# Allegro board A527_draft_V1_0.brd (continued)
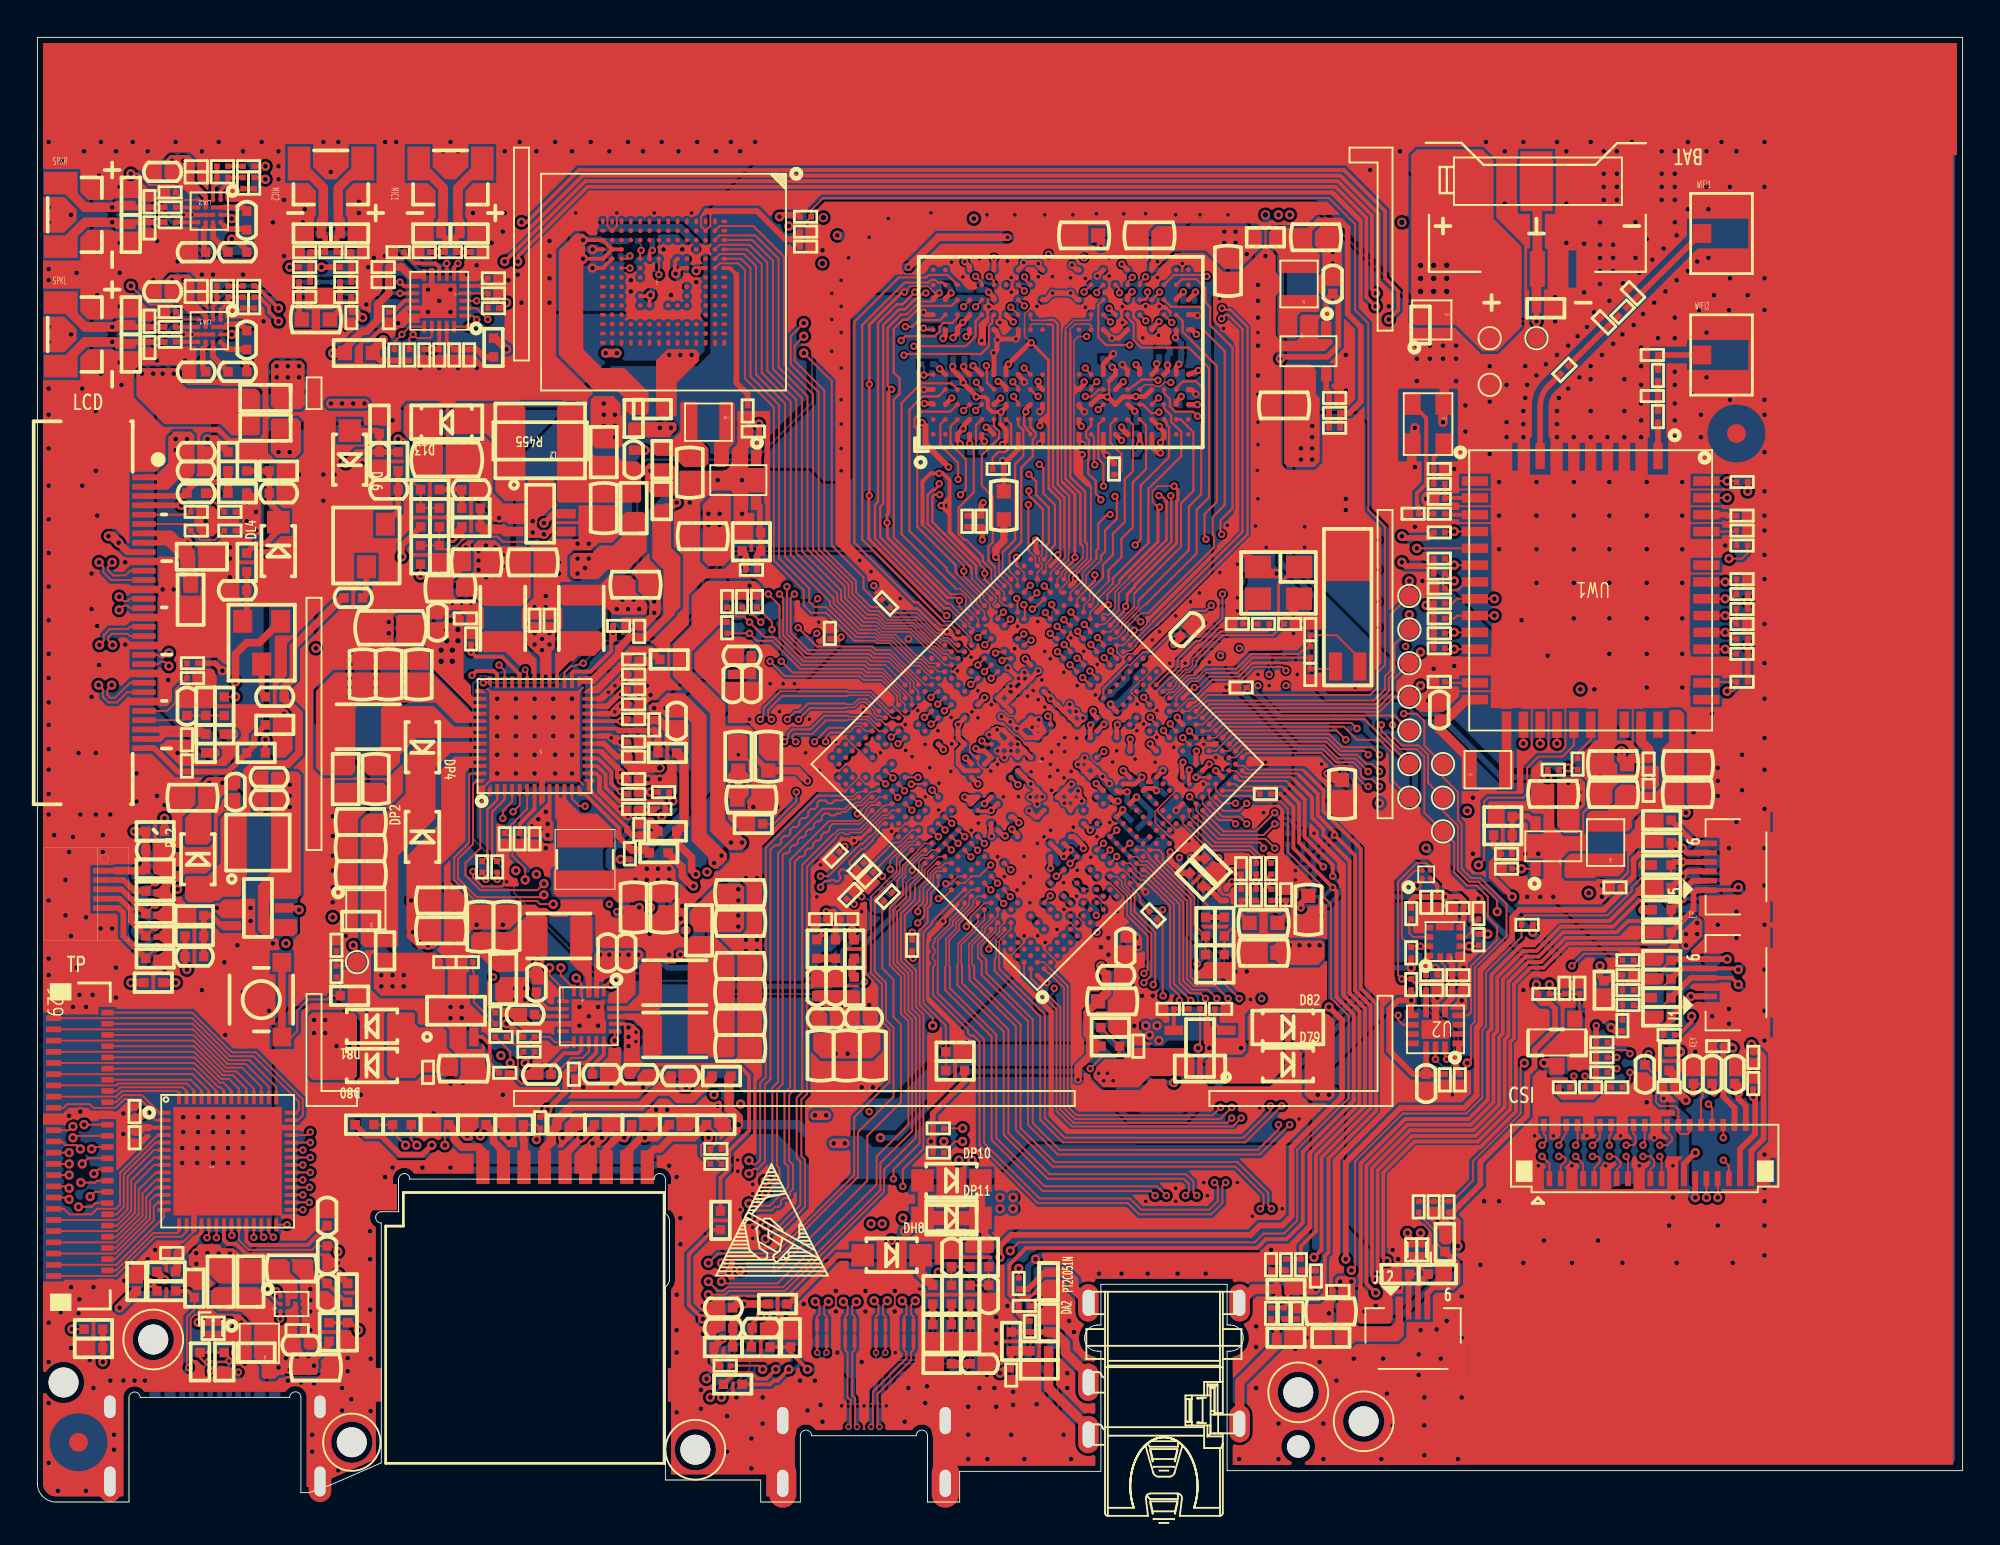
[diagram p0: board, top side]
## Footprints (pads in the part's own frame, mm; a bottom-side part is the same pattern mirrored in y, then rotated) (continued)
C0201
  rect 0.3x0.3 smd: 1(-0.3,0) 2(0.3,0)
C0402
  rect 0.5x0.5 smd: 1(0,0) 2(1,0)
C0603
  rect 0.76x0.76 smd: 1(-0.75,0) 2(0.75,0)
C0805
  rect 1.27x1.27 smd: 1(0,0) 2(2,0)
CA0103021-R
  rect 0.6x0.9 smd: 1(-3.05,0) 5(3.05,0)
  rect 1.5x0.9 smd: 2(-1.65,0) 4(1.65,0)
  rect 1.2x0.9 smd: 3(0,0)
DFN3P130B200_200H65
  rect 0.4x0.5 smd: 1(0.65,0.75) 2(-0.65,0.75)
  rect 1.6x1.35 smd: 3(0,-0.425)
DSX321G
  rect 1.4x1.2 smd: 1(0,0) 2(2.2,0) 3(2.2,1.7) 4(0,1.7)
ESD0402
  rect 0.5x0.5 smd: 1(0,0) 2(1,0)
FCQFN12P40B130_180H55
  round 0.25 smd: A1(-0.6,0.4) A2(-0.2,0.4) A3(0.2,0.4) A4(0.6,0.4) B1(-0.6,0) B2(-0.2,0) B3(0.2,0) B4(0.6,0) C1(-0.6,-0.4) C2(-0.2,-0.4) C3(0.2,-0.4) C4(0.6,-0.4)
FCQFN16P40B200_200H75
  round 0.25 smd: A1(-0.6,-0.6) A2(-0.2,-0.6) A3(0.2,-0.6) A4(0.6,-0.6) B1(-0.6,-0.2) B2(-0.2,-0.2) B3(0.2,-0.2) B4(0.6,-0.2) C1(-0.6,0.2) C2(-0.2,0.2) C3(0.2,0.2) C4(0.6,0.2) D1(-0.6,0.6) D2(-0.2,0.6) D3(0.2,0.6) D4(0.6,0.6)
FIDICALMARK
  round 1 smd: 1(0,0)
FPC5_5-1_25-7_4X11_4H1_85FR_G
  rect 0.8x1.9 smd: 1(2.5,2.8) 2(1.25,2.8) 3(0,2.8) 4(-1.25,2.8) 5(-2.5,2.8)
  rect 1.7x3.2 smd: 6(-5.45,-1.9) 7(5.45,-1.9)
FPC6-0_3-2_5X4_5H1_0L
  rect 0.3x1.1 smd: 1(-1.24,1.4) 2(-0.74,1.4) 3(-0.24,1.4) 4(0.26,1.4) 5(0.76,1.4) 6(1.26,1.4)
  rect 0.8x1.5 smd: 7(-2.4,-1.25) 8(2.4,-1.25)
FPC0310-39B2-GXX-L
  rect 0.3x0.8 smd: 1(0,0) 3(0.6,0) 5(1.2,0) 7(1.8,0) 9(2.4,0) 11(3,0) 13(3.6,0) 15(4.2,0) 17(4.8,0) 19(5.4,0) 21(6,0) 23(6.6,0) 25(7.2,0) 27(7.8,0) 29(8.4,0) 31(9,0) 33(9.6,0) 35(10.2,0) 37(10.8,0) 39(11.4,0)
  rect 0.3x0.65 smd: 2(0.3,2.875) 4(0.9,2.875) 6(1.5,2.875) 8(2.1,2.875) 10(2.7,2.875) 12(3.3,2.875) 14(3.9,2.875) 16(4.5,2.875) 18(5.1,2.875) 20(5.7,2.875) 22(6.3,2.875) 24(6.9,2.875) 26(7.5,2.875) 28(8.1,2.875) 30(8.7,2.875) 32(9.3,2.875) 34(9.9,2.875) 36(10.5,2.875) 38(11.1,2.875)
  rect 0.85x1.15 smd: 40(-0.779,0.4) 41(12.179,0.4)
FPC-6S-P05-H10-A
  rect 0.3x0.8 smd: 1(1.25,0) 2(0.75,0) 3(0.25,0) 4(-0.25,0) 5(-0.75,0) 6(-1.25,0)
  rect 1x1 smd: 7(-2.25,2.5) 8(2.25,2.5)
FPC-51D-P03-H15
  rect 0.3x0.8 smd: 1(0,0) 3(0.6,0) 5(1.2,0) 7(1.8,0) 9(2.4,0) 11(3,0) 13(3.6,0) 15(4.2,0) 17(4.8,0) 19(5.4,0) 21(6,0) 23(6.6,0) 25(7.2,0) 27(7.8,0) 29(8.4,0) 31(9,0) 33(9.6,0) 35(10.2,0) 37(10.8,0) 39(11.4,0) 41(12,0) 43(12.6,0) 45(13.2,0) 47(13.8,0) 49(14.4,0) 51(15,0)
  rect 0.3x0.65 smd: 2(0.3,2.875) 4(0.9,2.875) 6(1.5,2.875) 8(2.1,2.875) 10(2.7,2.875) 12(3.3,2.875) 14(3.9,2.875) 16(4.5,2.875) 18(5.1,2.875) 20(5.7,2.875) 22(6.3,2.875) 24(6.9,2.875) 26(7.5,2.875) 28(8.1,2.875) 30(8.7,2.875) 32(9.3,2.875) 34(9.9,2.875) 36(10.5,2.875) 38(11.1,2.875) 40(11.7,2.875) 42(12.3,2.875) 44(12.9,2.875) 46(13.5,2.875) 48(14.1,2.875) 50(14.7,2.875)
  rect 0.3x1.15 smd: 52(15.65,0.375) 53(-0.65,0.375)
HDMI_TYPE_D_CB10
  rect 0.23x1.05 smd: 1(1.8,4.95) 3(1.4,4.95) 5(1,4.95) 7(0.6,4.95) 9(0.2,4.95) 11(-0.2,4.95) 13(-0.6,4.95) 15(-1,4.95) 17(-1.4,4.95) 19(-1.8,4.95)
  rect 0.23x0.85 smd: 2(1.6,3.625) 4(1.2,3.625) 6(0.8,3.625) 8(0.4,3.625) 10(0,3.625) 12(-0.4,3.625) 14(-0.8,3.625) 16(-1.2,3.625) 18(-1.6,3.625)
  oval 1.45x2.6 hole 0.6x1.45: 20(-4.35,3.36) 21(4.35,3.36) 22(-4.35,0) 23(4.35,0)
KEY_3X3
  rect 1x1 smd: 1(-2,1.1) 2(2,1.1) 3(2,-1.1) 4(-2,-1.1)
L0402
  rect 0.5x0.5 smd: 1(-0.5,0) 2(0.5,0)
L_CHOKE_SMD_DLP0NS0806
  rect 0.38x0.3 smd: 1(-0.315,-0.25) 2(0.315,-0.25) 3(0.315,0.25) 4(-0.315,0.25)
LED0603
  rect 0.76x0.76 smd: 1(0,0) 2(1.5,0)
LGA12P50B200_200H100
  rect 0.3x0.35 smd: 1(-0.75,0.8) 4(-0.75,-0.8) 5(-0.25,-0.8) 6(0.25,-0.8) 7(0.75,-0.8) 10(0.75,0.8) 11(0.25,0.8) 12(-0.25,0.8)
  rect 0.35x0.3 smd: 2(-0.8,0.25) 3(-0.8,-0.25) 8(0.8,-0.25) 9(0.8,0.25)
LGA14P50B250_300H81
  rect 0.7x0.3 smd: 1(-1.25,0.75) 2(-1.25,0.25) 3(-1.25,-0.25) 4(-1.25,-0.75) 8(1.25,-0.75) 9(1.25,-0.25) 10(1.25,0.25) 11(1.25,0.75)
  rect 0.3x0.7 smd: 5(-0.5,-1) 6(0,-1) 7(0.5,-1) 12(0.5,1) 13(0,1) 14(-0.5,1)
LP200_250H100
  rect 0.8x2 smd: 1(-1,0) 2(1,0)
LP200_250H120
  rect 1x2 smd: 1(-1.2,0) 2(1.2,0)
MS2V
  rect 1.5x0.7 smd: 1(0,0) 2(0,1.3)
  rect 2.5x2 smd: 3(5.9,0.65)
QFN20P40B300_300H75
  rect 0.63x0.2 smd: 1(-1.385,0.8) 2(-1.385,0.4) 3(-1.385,0) 4(-1.385,-0.4) 5(-1.385,-0.8) 11(1.385,-0.8) 12(1.385,-0.4) 13(1.385,0) 14(1.385,0.4) 15(1.385,0.8)
  rect 0.2x0.63 smd: 6(-0.8,-1.385) 7(-0.4,-1.385) 8(0,-1.385) 9(0.4,-1.385) 10(0.8,-1.385) 16(0.8,1.385) 17(0.4,1.385) 18(0,1.385) 19(-0.4,1.385) 20(-0.8,1.385)
  rect 1.65x1.65 smd: 21(0,0)
QFN50P90B1300_1500H150
  rect 0.5x1.4 smd: 1(-4.5,-7.19) 2(-3.6,-7.19) 3(-2.7,-7.19) 4(-1.8,-7.19) 5(-0.9,-7.19) 6(0,-7.19) 7(0.9,-7.19) 8(1.8,-7.19) 9(2.7,-7.19) 10(3.6,-7.19) 11(4.5,-7.19) 26(4.5,7.19) 27(3.6,7.19) 28(2.7,7.19) 29(1.8,7.19) 30(0.9,7.19) 31(0,7.19) 32(-0.9,7.19) 33(-1.8,7.19) 34(-2.7,7.19) 35(-3.6,7.19) 36(-4.5,7.19)
  rect 1.4x0.5 smd: 12(6.19,-5.85) 13(6.19,-4.95) 14(6.19,-4.05) 15(6.19,-3.15) 16(6.19,-2.25) 17(6.19,-1.35) 18(6.19,-0.45) 19(6.19,0.45) 20(6.19,1.35) 21(6.19,2.25) 22(6.19,3.15) 23(6.19,4.05) 24(6.19,4.95) 25(6.19,5.85) 37(-6.19,5.85) 38(-6.19,4.95) 39(-6.19,4.05) 40(-6.19,3.15) 41(-6.19,2.25) 42(-6.19,1.35) 43(-6.19,0.45) 44(-6.19,-0.45) 45(-6.19,-1.35) 46(-6.19,-2.25) 47(-6.19,-3.15) 48(-6.19,-4.05) 49(-6.19,-4.95) 50(-6.19,-5.85)
QFN53P40B600_600H75
  custom 0.05x0.05 smd: 1(-2.89,2.4) 13(-2.89,-2.4) 14(-2.4,-2.89) 26(2.4,-2.89) 27(2.89,-2.4) 39(2.89,2.4) 40(2.4,2.89) 52(-2.4,2.89)
  rect 0.63x0.2 smd: 2(-2.885,2) 3(-2.885,1.6) 4(-2.885,1.2) 5(-2.885,0.8) 6(-2.885,0.4) 7(-2.885,0) 8(-2.885,-0.4) 9(-2.885,-0.8) 10(-2.885,-1.2) 11(-2.885,-1.6) 12(-2.885,-2) 28(2.885,-2) 29(2.885,-1.6) 30(2.885,-1.2) 31(2.885,-0.8) 32(2.885,-0.4) 33(2.885,0) 34(2.885,0.4) 35(2.885,0.8) 36(2.885,1.2) 37(2.885,1.6) 38(2.885,2)
  rect 0.2x0.63 smd: 15(-2,-2.885) 16(-1.6,-2.885) 17(-1.2,-2.885) 18(-0.8,-2.885) 19(-0.4,-2.885) 20(0,-2.885) 21(0.4,-2.885) 22(0.8,-2.885) 23(1.2,-2.885) 24(1.6,-2.885) 25(2,-2.885) 41(2,2.885) 42(1.6,2.885) 43(1.2,2.885) 44(0.8,2.885) 45(0.4,2.885) 46(0,2.885) 47(-0.4,2.885) 48(-0.8,2.885) 49(-1.2,2.885) 50(-1.6,2.885) 51(-2,2.885)
  rect 4.6x4.6 smd: 53(0,0)
QFN57P40B700_700H75
  rect 0.7x0.2 smd: 1(-3.4,2.6) 2(-3.4,2.2) 3(-3.4,1.8) 4(-3.4,1.4) 5(-3.4,1) 6(-3.4,0.6) 7(-3.4,0.2) 8(-3.4,-0.2) 9(-3.4,-0.6) 10(-3.4,-1) 11(-3.4,-1.4) 12(-3.4,-1.8) 13(-3.4,-2.2) 14(-3.4,-2.6) 29(3.4,-2.6) 30(3.4,-2.2) 31(3.4,-1.8) 32(3.4,-1.4) 33(3.4,-1) 34(3.4,-0.6) 35(3.4,-0.2) 36(3.4,0.2) 37(3.4,0.6) 38(3.4,1) 39(3.4,1.4) 40(3.4,1.8) 41(3.4,2.2) 42(3.4,2.6)
  rect 0.2x0.7 smd: 15(-2.6,-3.4) 16(-2.2,-3.4) 17(-1.8,-3.4) 18(-1.4,-3.4) 19(-1,-3.4) 20(-0.6,-3.4) 21(-0.2,-3.4) 22(0.2,-3.4) 23(0.6,-3.4) 24(1,-3.4) 25(1.4,-3.4) 26(1.8,-3.4) 27(2.2,-3.4) 28(2.6,-3.4) 43(2.6,3.4) 44(2.2,3.4) 45(1.8,3.4) 46(1.4,3.4) 47(1,3.4) 48(0.6,3.4) 49(0.2,3.4) 50(-0.2,3.4) 51(-0.6,3.4) 52(-1,3.4) 53(-1.4,3.4) 54(-1.8,3.4) 55(-2.2,3.4) 56(-2.6,3.4)
  rect 5.35x5.35 smd: 57(0,0)
R0201
  rect 0.3x0.3 smd: 1(-0.3,0) 2(0.3,0)
R0402
  rect 0.5x0.5 smd: 1(0,0) 2(1,0)
R0603
  rect 0.76x0.76 smd: 1(0,0) 2(1.5,0)
R0805
  rect 1.27x1.27 smd: 1(0,0) 2(2,0)
R1206
  rect 1.4x1.6 smd: 1(-1.6,0) 2(1.6,0)
RCLAMP0524P
  rect 0.2x0.675 smd: 1(0,-0.875) 2(0.5,-0.875) 4(1.5,-0.875) 5(2,-0.875) 6(2,0) 7(1.5,0) 9(0.5,0) 10(0,0)
  rect 0.4x0.67 smd: 3(1,-0.875) 8(1,0)
SOD123
  rect 1.2x1.2 smd: 1(-1.55,0) 2(1.55,0)
SOD_123_G
  rect 1.2x1.2 smd: A(-1.55,0) K(1.55,0)
SOT5P95B160_300H130
  rect 0.8x0.55 smd: 1(-1.2,0.95) 2(-1.2,0) 3(-1.2,-0.95) 4(1.2,-0.95) 5(1.2,0.95)
SOT23
  rect 0.9x0.8 smd: 1(-1.254,0.95) 2(-1.254,-0.95) 3(1.27,0)
SOT23-5
  rect 0.5x1 smd: 1(0,0) 2(0.95,0) 3(1.9,0) 4(1.9,2.8) 5(0,2.8)
SOT23-6
  rect 0.5x1 smd: 1(0,0) 2(0.95,0) 3(1.9,0) 4(1.9,2.8) 5(0.95,2.8) 6(0,2.8)
SOT23-132
  rect 1.016x1.219 smd: 1(-1.016,-1.143) 2(1.016,-1.143) 3(0,1.143)
SOT-23
  rect 0.9x0.8 smd: 1(-1.254,0.95) 2(-1.254,-0.95) 3(1.27,0)
SWPA3015S
  rect 0.8x2.7 smd: 1(-1.15,0) 2(1.15,0)
SWPA4018S
  rect 1.3x3.7 smd: 1(-1.6,0) 2(1.6,0)
TF-9P-CSTT-102010909
  rect 0.7x1.8 smd: 1(0,0) 2(1.1,0) 3(2.2,0) 4(3.3,0) 5(4.4,0) 6(5.5,0) 7(6.6,0) 8(7.7,0) 9(8.8,0)
  rect 1.2x1.8 smd: 10(-6,-11.65)
  rect 1.45x1.8 smd: 11(10.625,-11.65)
  rect 2x1.4 smd: 12(-5.6,-1.6)
  rect 1.45x1.4 smd: 13(10.625,-1.6)
TP30
  round 0.3 smd: 1(0,0)
TP100
  round 1 smd: 1(0,0)
unnamed
  round 1.6 hole 1.6 unplated: (0,0)
USB_CF_16PIN_SINK
  oval 1.2x1.8 hole 0.6x1.2: 1(-5.62,4.1) 2(5.62,4.1)
  oval 1.2x2.2 hole 0.6x1.6: 3(-5.62,0.1) 4(5.62,0.1)
  rect 0.3x1.14 smd: A1(-3.35,5.15) A4(-2.55,5.15) A5(-1.25,5.15) A6(-0.25,5.15) A7(0.25,5.15) A8(1.25,5.15) A9(2.25,5.15) A12(3.05,5.15) B1(3.35,5.15) B4(2.55,5.15) B5(1.75,5.15) B6(0.75,5.15) B7(-0.75,5.15) B8(-1.75,5.15) B9(-2.25,5.15) B12(-3.05,5.15)
WF_080_2P
  rect 0.5x1 smd: 1(-0.4,0) 2(0.4,0)
  rect 1.2x1.8 smd: 3(-1.7,-1.9) 4(1.7,-1.9)
WPN303015H
  rect 1x3 smd: 1(-1.139,0) 2(1.103,0)
X4B250_320H120_SMD
  rect 0.95x1.2 smd: 1(-0.875,1.1) 2(-0.875,-1.1) 3(0.875,-1.1) 4(0.875,1.1)

## Nets
5V-USB: D79.A(1) D82.A(1) RU3.1 RU29.2 UU1.1(OUT)
AGND: C63.2 C64.2 C65.2 C66.2 R12.1 U1.AE3(AGND)
AVCC: C63.1 R16.2 R57.2 RA1.2 RP57.2 RP59.2 U1.AB9(AVCC)
AVDD-LCD: CL5.2 CL12.1 CL15.1 DL2.K(2) DL3.1 J11.9 RL4.2 RL19.2 UL1.5(OVR)
DVDD: CA45.1 CA46.1 RA30.2 UA3.19(DVCC)
GND: C1.2 C2.2 C3.2 C4.2 C5.2 C6.2 C7.2 C8.2 C9.2 C10.2 C11.2 C12.2 C13.2 C14.2 C15.2 C16.2 C17.2 C18.2 C19.2 C20.2 C21.2 C22.2 C23.2 C24.2 C25.2 C26.2 C27.2 C28.2 C29.2 C30.2 C31.2 C32.2 C33.2 C34.2 C35.2 C36.2 C37.2 C38.2 C39.2 C40.2 C41.2 C42.2 C43.2 C44.2 C45.2 C46.2 C47.2 C48.2 C49.2 C50.2 C51.2 C52.2 C54.2 C55.2 C56.2 C57.2 C58.2 C59.2 C60.2 C61.2 C62.2 C69.2 C70.2 C71.2 C72.2 C73.2 C78.2 C79.2 C80.2 C81.2 C82.2 C83.2 C84.2 C85.2 C90.2 C91.2 C92.2 C93.2 C94.2 C95.2 C96.2 C97.2 C98.2 C100.2 C101.2 C102.2 C103.2 C104.2 C105.2 C106.2 C107.2 C108.2 C109.2 C110.2 C111.2 C112.2 C113.2 C114.2 C115.2 C651.1 CA1.2 CA7.2 CA8.2 CA9.2 CA12.2 CA13.2 CA14.2 CA16.2 CA17.2 CA19.1 CA20.1 CA26.2 CA27.2 CA29.2 CA30.2 CA31.1 CA32.1 CA33.1 CA34.1 CA43.2 CA44.2 CA45.2 CA46.2 CA47.2 CA48.2 CA49.2 CA50.2 CA51.2 CA52.2 CA53.2 CA54.2 CA55.1 CA61.2 CA62.1 CA68.2 CC1.2 CD1.2 CD2.2 CD3.2 CD4.2 CD5.2 CD6.2 CD7.2 CD8.2 CD9.2 CD10.2 CD11.2 CD12.2 CD13.2 CD14.2 CD15.2 CD16.2 CD17.2 CD18.2 CD19.2 CD20.2 CD21.2 CD22.2 CD23.2 CD24.2 CD25.2 CD26.2 CD27.2 CD28.2 CD29.2 CD30.2 CD31.2 CD32.2 CD34.2 CD35.2 CD36.2 CH1.1 CH2.1 CH3.1 CH4.1 CL2.2 CL3.2 CL4.2 CL5.1 CL6.2 CL7.2 CL8.2 CL9.2 CL10.2 CL11.2 CL15.2 CL16.2 CL17.2 CL18.2 CL19.2 CL20.2 CL21.2 CL22.2 CL25.2 CL27.2 CL28.2 CL29.2 CL30.2 CL31.2 CM1.2 CM2.2 CM3.2 CM4.2 CM6.2 CM8.2 CON2.4(GND1) CON2.7(GND2) CON2.10(GND3) CON2.13(GND4) CON2.16(GND5) CON2.20(SHIELD1) CON2.21(SHIELD2) CON2.22(SHIELD3) CON2.23(SHIELD4) CP1.2 CP2.2 CP3.2 CP4.1 CP5.2 CP6.2 CP7.2 CP8.2 CP9.1 CP10.1 CP11.2 CP12.1 CP13.1 CP15.2 CP16.1 CP18.1 CP19.1 CP20.2 CP22.2 CP23.2 CP24.2 CP25.2 CP26.2 CP27.2 CP28.2 CP31.2 CP32.2 CP33.2 CP34.2 CP35.2 CP36.2 CP37.2 CP38.2 CP39.2 CP40.2 CP41.2 CP42.2 CP49.2 CP50.2 CP53.2 CP56.2 CP59.1 CP61.1 CP62.1 CP65.2 CP66.2 CP67.1 CP68.2 CP69.1 CP135.2 CP136.2 CP137.2 CP138.2 CP139.2 CP140.2 CP141.2 CP143.2 CP144.2 CP145.2 CP146.2 CP147.2 CP148.2 CP149.2 CU3.2 CU4.2 CU5.1 CU6.1 CU11.1 CV1.2 CV2.2 CV3.2 CV4.2 CV5.2 CV6.2 CV7.2 CV8.2 CV9.2 CW1.2 CW2.1 CW5.2 CW6.1 CW8.1 CW14.2 CW15.2 CW16.1 CW17.1 CW18.2 CW19.1 CW20.2 CW21.2 D2.1(ANODE) D3.1(ANODE) D4.1(ANODE) D5.1(ANODE) D6.1(ANODE) D83.1(ANODE) DA1.1(ANODE) DA2.1(ANODE) DA3.1(ANODE) DA4.1(ANODE) DA5.1(ANODE) DA6.1(ANODE) DA7.1(ANODE) DA8.1(ANODE) DA9.1(ANODE) DA10.1(ANODE) DA11.1(ANODE) DA12.1(ANODE) DA13.1(ANODE) DA14.1(ANODE) DA15.1(ANODE) DA16.1(ANODE) DA17.1(ANODE) DA18.1(ANODE) DC1.1(ANODE) DC2.1(ANODE) DC3.1(ANODE) DC4.1(ANODE) DC5.1(ANODE) DC6.1(ANODE) DC7.1(ANODE) DC8.1(ANODE) DH1.3(GND1) DH1.8(GND2) DH2.3(GND1) DH2.8(GND2) DH3.1(ANODE) DH4.1(ANODE) DH5.1(ANODE) DH6.1(ANODE) DH7.1(ANODE) DL4.1 DL5.2 DL6.2 DL7.1(ANODE) DL8.1(ANODE) DL9.1(ANODE) DL10.1(ANODE) DL11.1(ANODE) DP1.1 DP1.2 DP6.1 DP6.2 DU2.1(ANODE) DU3.1(ANODE) DU5.1(ANODE) DU6.1(ANODE) DU8.1 DU8.2 DU9.1(ANODE) DU10.1(ANODE) DU11.1(ANODE) DU12.1(ANODE) DU13.1(ANODE) DU14.1(ANODE) DU15.1(ANODE) DU16.1(ANODE) J1.1 J1.3 J1.7(GND#7) J1.8(GND#8) J11.10 J11.13 J11.16 J11.19 J11.22 J11.25 J11.31 J11.32 J12.1 J12.6 J12.7 J12.8 J29.1 J29.20 J29.21 J29.50 J29.51 J29.52 J29.53 JA14.4 JA14.5 JA14.6 JC1.6(VSS) JC1.10(GND1) JC1.11(GND2) JC1.12(GND3) JC1.13(GND4) JL4.6 JL4.7(GND#7) JL4.8(GND#8) JL5.7(GND#7) JL5.8(GND#8) JP1.3(GND) JU3.1(G1) JU3.2(G2) JU3.3(G3) JU3.4(G4) JU3.A1(GND1) JU3.A12(GND3) JU3.B1(GND2) JU3.B12(GND4) JV1.1(GND0) JV1.4(GND1) JV1.7(GND2) JV1.10(GND3) JV1.13(GND4) JV1.16(GND5) JV1.19(GND6) JV1.22(GND7) JV1.25(GND8) JV1.40 JV1.41 JW1.2(SHIELD1) JW1.3(SHIELD2) JW1.4(SHIELD3) JW2.2(SHIELD1) JW2.3(SHIELD2) JW2.4(SHIELD3) JZ1.1 JZ1.2 JZ1.3 JZ1.4 JZ1.5 JZ2.1 JZ2.2 JZ2.3 JZ2.4 JZ2.5 JZ3.1 JZ3.2 JZ3.3 JZ3.4 JZ3.5 JZ4.1 JZ4.2 JZ4.3 JZ4.4 JZ4.5 JZ5.1 JZ5.2 JZ5.3 JZ5.4 JZ5.5 JZ6.1 JZ6.2 JZ6.3 JZ6.4 JZ6.5 JZ7.1 JZ7.2 JZ7.3 JZ7.4 JZ7.5 KP4.3 KP4.4 QV1.2(SOURCE) R2.2 R8.2 R9.1 R10.2 R12.2 R13.1 R14.1 R15.1 R26.1 R27.2 R34.1 R36.2 R39.1 R40.1 R44.1 R46.2 R48.1 R524.2 RA7.1 RA8.1 RA9.1 RA10.1 RA11.1 RA12.1 RA27.2 RA28.2 RA32.2 RA35.1 RA36.2 RA39.1 RA40.1 RD9.1 RL5.1 RL6.1 RL7.1 RL8.1 RL10.1 RL23.1 RL24.1 RL26.1 RL27.2 RL32.1 RL39.2 RM6.1 RM7.1 RM10.2 RP3.1 RP43.1 RP44.1 RP51.1 RP68.2 RP74.1 RP76.1 RU8.2 RU9.2 RU10.2 RV14.1 RW12.2 RW16.1 RW23.1 RW24.1 RW25.1 RW63.1 TP3.1(TP) TP17.1(TP) TP28.1(TP) TP29.1(TP) U1.A1(GND0) U1.A32(AVSS0) U1.A33(AVSS1) U1.AA15(GND87) U1.AA16(GND88) U1.AA18(GND89) U1.AA21(GND90) U1.AA22(GND91) U1.AA26(GND92) U1.AA30(GND93) U1.AA32(GND94) U1.AB10(GND95) U1.AB11(GND96) U1.AB12(GND97) U1.AB14(GND98) U1.AB15(GND99) U1.AB17(GND100) U1.AC1(GND101) U1.AC26(GND102) U1.AC29(GND103) U1.AC33(GND104) U1.AD9(GND105) U1.AD11(GND106) U1.AD13(GND107) U1.AD14(GND108) U1.AD20(GND109) U1.AD21(GND110) U1.AD22(GND111) U1.AE9(GND112) U1.AE12(GND113) U1.AE14(GND114) U1.AE18(GND115) U1.AE19(GND116) U1.AE20(GND117) U1.AE21(GND118) U1.AE22(GND119) U1.AE23(GND120) U1.AE24(GND121) U1.AE25(GND122) U1.AE26(GND123) U1.AE29(GND124) U1.AE32(GND125) U1.AG3(GND126) U1.AG6(GND127) U1.AG7(GND128) U1.AG11(GND129) U1.AG25(GND130) U1.AG28(GND131) U1.AG31(GND132) U1.AG33(GND133) U1.AH7(GND134) U1.AH9(GND135) U1.AH27(GND136) U1.AH32(GND137) U1.AJ13(GND138) U1.AJ19(GND139) U1.AJ21(GND140) U1.AJ23(GND141) U1.AK5(GND142) U1.AK11(GND143) U1.AK32(GND144) U1.AL3(GND145) U1.AL9(GND146) U1.AL12(GND147) U1.AL13(GND148) U1.AL14(GND149) U1.AM5(GND150) U1.AM20(GND151) U1.AM26(GND152) U1.AM29(GND153) U1.AN1(GND154) U1.AN10(GND155) U1.AN11(GND156) U1.AN18(GND157) U1.AN22(GND158) U1.AN24(GND159) U1.AN28(GND160) U1.AN31(GND161) U1.AN33(GND162) U1.C6(GND1) U1.C8(GND2) U1.C10(GND3) U1.C12(GND4) U1.C14(GND5) U1.C18(GND6) U1.C20(GND7) U1.C22(AVSS2) U1.C24(AVSS3) U1.C26(AVSS4) U1.C28(AVSS5) U1.C30(AVSS6) U1.C31(AVSS7) U1.D6(GND8) U1.E3(GND9) U1.E29(AVSS8) U1.F6(GND10) U1.F8(GND11) U1.F10(GND12) U1.F12(GND13) U1.F22(AVSS9) U1.F24(AVSS10) U1.G3(GND14) U1.G8(GND15) U1.G10(GND16) U1.G14(GND17) U1.G18(GND18) U1.G26(AVSS11) U1.G28(AVSS12) U1.G29(GND19) U1.H24(AVSS13) U1.J3(GND20) U1.J6(GND21) U1.J9(GND22) U1.J10(GND23) U1.J12(GND24) U1.J13(GND25) U1.J17(AVSS14) U1.J21(AVSS15) U1.J22(AVSS16) U1.J23(AVSS17) U1.J26(AVSS18) U1.J28(GND26) U1.J31(GND27) U1.K9(GND28) U1.K10(GND29) U1.K11(GND30) U1.K12(GND31) U1.K15(AVSS19) U1.K16(AVSS20) U1.K21(AVSS21) U1.K22(AVSS22) U1.K24(AVSS23) U1.K25(AVSS24) U1.K26(GND32) U1.L3(GND33) U1.L6(GND34) U1.L10(GND35) U1.L12(GND36) U1.L13(GND37) U1.L16(AVSS25) U1.L19(AVSS26) U1.L24(AVSS27) U1.L27(GND38) U1.L30(GND39) U1.L33(GND40) U1.M13(GND41) U1.M16(AVSS28) U1.M18(AVSS29) U1.M19(AVSS30) U1.N3(GND42) U1.N6(GND43) U1.N10(GND44) U1.N12(GND45) U1.N15(GND46) U1.N18(GND47) U1.N19(GND48) U1.N22(GND49) U1.N26(GND50) U1.N27(GND51) U1.N30(GND52) U1.P11(GND53) U1.P16(GND54) U1.P19(GND55) U1.P24(GND56) U1.R3(GND57) U1.R7(GND58) U1.R11(GND59) U1.R13(GND60) U1.R19(GND61) U1.R24(GND62) U1.R27(GND63) U1.T15(GND64) U1.T16(GND65) U1.T18(GND66) U1.T24(GND67) U1.U7(GND68) U1.U14(GND69) U1.U16(GND70) U1.U25(GND71) U1.U27(GND72) U1.V18(GND73) U1.V19(GND74) U1.W12(GND75) U1.W13(GND76) U1.W15(GND77) U1.W16(GND78) U1.W22(GND79) U1.W27(GND80) U1.W30(GND81) U1.Y15(GND82) U1.Y18(GND83) U1.Y22(GND84) U1.Y23(GND85) U1.Y26(GND86) U2.6(GND) U3.3(GND) U5.A1(VSS) U6.6(GND) U7.4(NC) U7.8(GNDIO) U7.9(GND) UA1.C2(GND0) UA1.C3(GND1) UA1.C4(GND2) UA2.C2(GND0) UA2.C3(GND1) UA2.C4(GND2) UA3.9(AGND) UA3.14(DEV_ID0) UA3.15(DEV_ID1) UA3.21(GND) UD1.A3(VSS0) UD1.A10(VSS1) UD1.AB3(VSS54) UD1.AB5(VSS55) UD1.AB8(VSS56) UD1.AB10(VSS57) UD1.C1(VSS2) UD1.C5(VSS3) UD1.C8(VSS4) UD1.C12(VSS5) UD1.D2(VSS6) UD1.D4(VSS7) UD1.D9(VSS8) UD1.D11(VSS9) UD1.E1(VSS10) UD1.E5(VSS11) UD1.E8(VSS12) UD1.E12(VSS13) UD1.G1(VSS14) UD1.G3(VSS15) UD1.G5(VSS16) UD1.G8(VSS17) UD1.G10(VSS18) UD1.G12(VSS19) UD1.J1(VSS20) UD1.J3(VSS21) UD1.J10(VSS22) UD1.J12(VSS23) UD1.K2(VSS24) UD1.K4(VSS25) UD1.K9(VSS26) UD1.K11(VSS27) UD1.N2(VSS28) UD1.N4(VSS29) UD1.N9(VSS30) UD1.N11(VSS31) UD1.P1(VSS32) UD1.P3(VSS33) UD1.P10(VSS34) UD1.P12(VSS35) UD1.T1(VSS36) UD1.T3(VSS37) UD1.T5(VSS38) UD1.T8(VSS39) UD1.T10(VSS40) UD1.T12(VSS41) UD1.V1(VSS42) UD1.V5(VSS43) UD1.V8(VSS44) UD1.V12(VSS45) UD1.W2(VSS46) UD1.W4(VSS47) UD1.W9(VSS48) UD1.W11(VSS49) UD1.Y1(VSS50) UD1.Y5(VSS51) UD1.Y8(VSS52) UD1.Y12(VSS53) UD2.2(GND) UL1.2(GND) UL3.17(DVSS) UL3.40(AVSS) UL3.57(GND) UL4.2(GND) UM1.C4(VSSQ1) UM1.E7(VSS1) UM1.G5(VSS2) UM1.H10(VSS3) UM1.K8(VSS6) UM1.N2(VSSQ2) UM1.N5(VSSQ3) UM1.P4(VSSQ4) UM1.P6(VSSQ5) UP1.8(GND) UP1.53(EPAD) UP2.A1(EN#) UP2.A4(GND0) UP2.B4(GND1) UP2.C4(GND2) UP3.2(GND) UP5.2(GND) UP7.2(GND) UP8.9(GND) UP8.21(EPAD) UU1.2(GND) UW1.1(GND1) UW1.3(GND2) UW1.4(GND3) UW1.5(GND4) UW1.6(GND5) UW1.7(GND6) UW1.8(GND7) UW1.10(GND8) UW1.11(GND9) UW1.23(GND10) UW1.32(GND11) UW1.39(GND12) UW1.46(GND13/NC) Y1.2(GND1) Y1.4(GND2) Y2.3 YW1.2(GND1) YW1.4(GND2)
GND-ADC: C67.2 C68.2 C133.2 R46.1 U1.AA7(GND-ADC) U1.Y10(VREFN-ADC)
VBAT: CP22.1 CP24.1 CP68.1 DP1.3 DU15.2(CATHODE) JA14.1 JA14.2 JA14.7 JP1.1(BAT) RL17.1 TP1.1(TP) UP1.41(BAT_1) UP1.42(BAT_2)
VBUS: CP4.2 CP9.2 CP66.1 DP2.1 RP65.2 RP73.2 UP1.49(VBUS_1) UP1.50(VBUS_2) UP2.A2(OUT0) UP2.A3(OUT1) UP2.B2(OUT2)
VCC33-USB: C72.1 RP34.2 RP56.2 U1.J19(VCC33-18-USB) U1.K19(VCC33-USB)
VCC-5V: CP61.2 CU5.2 DP10.A(1) DP11.A(1) RA41.1 RP8.1 RU3.2 RU28.2 UP3.5(IN) UU1.5(IN)
VCC-5V-HDMI: CH4.2 CON2.19(5V) DH7.2(CATHODE) DP10.K(2) DP11.K(2) RH1.2 RH2.2 RU28.1
VCC-5V-USB: CU6.2 CU11.2 D79.K(2) D82.K(2) DU12.2(CATHODE) J12.2 RU29.1
VCC-CARD-3V3: CC1.1 DC5.2(CATHODE) JC1.4(VDD) RC2.2
VCC-CTP1: BL1.2 CL25.1 DL11.2(CATHODE) JL4.1 TP7.1(TP)
VCC-DRAML: CD8.1 CD9.1 CD10.1 CD11.1 CD19.1 CD20.1 CD21.1 CD22.1 CD23.1 CD24.1 CD25.1 CD28.1 CD29.1 CD30.1 CD31.1 CD32.1 RD3.2 RD4.2 RD5.2 RD7.2 RD10.1 RD11.1 RD12.1 RD13.1 U1.AC17(VCC-DRAML0) U1.AC18(VCC-DRAML1) U1.AC19(VCC-DRAML2) U1.AC20(VCC-DRAML3) U1.AC22(VCC-DRAML4) UD1.AA3(VDDQ-16) UD1.AA5(VDDQ-17) UD1.AA8(VDDQ-18) UD1.AA10(VDDQ-19) UD1.B3(VDDQ-0) UD1.B5(VDDQ-1) UD1.B8(VDDQ-2) UD1.B10(VDDQ-3) UD1.D1(VDDQ-4) UD1.D5(VDDQ-5) UD1.D8(VDDQ-6) UD1.D12(VDDQ-7) UD1.F3(VDDQ-8) UD1.F10(VDDQ-9) UD1.U3(VDDQ-10) UD1.U10(VDDQ-11) UD1.W1(VDDQ-12) UD1.W5(VDDQ-13) UD1.W8(VDDQ-14) UD1.W12(VDDQ-15)
VCC-LCD: CL10.1 CL11.1 LL1.1 RL1.2 RL2.2 RL3.2 RL11.1 RL12.1 RL28.2 RP31.2 RP58.2 UL1.4(EN) UL1.6(VDD)
VCC-PC: C48.1 CM2.1 CM8.1 RM8.2 RM9.2 RP32.2 RP46.2 U1.U26(VCC-PC) UM1.C6(VCCQ1) UM1.M4(VCCQ2) UM1.N4(VCCQ3) UM1.P3(VCCQ4) UM1.P5(VCCQ5)
VCC-RTC: C20.1 CP25.1 RP2.1 RP4.1 RP129.1 U1.AE13(VCC-RTC) UP1.35(VRTC)
VDD09-USB: C73.1 RP33.2 RP41.2 U1.L18(VDD09-USB)
VDD-CPUB: C3.1 C4.1 C5.1 C6.1 C7.1 C8.1 C9.1 C10.1 RP118.2 U1.T19(VDD-CPUB0) U1.T21(VDD-CPUB1) U1.T22(VDD-CPUB2) U1.U18(VDD-CPUB3) U1.U19(VDD-CPUB4) U1.U21(VDD-CPUB5) U1.U22(VDD-CPUB6)
VDD-CPUBFB: T7.1(TP) U1.R22(VDD-CPUBFB) UP8.1(DCDC2) UP8.16(DCDC1)
VDD-CPULFB: T8.1(TP) U1.AA19(VDD-CPULFB) UP1.12(FB1)
VDD-DNR: C43.1 C44.1 C45.1 C46.1 C47.1 C103.1 RP119.2 U1.AA12(VDD-DNR2) U1.AA13(VDD-DNR3) U1.Y12(VDD-DNR0) U1.Y13(VDD-DNR1)
VDD-DNRFB: T10.1(TP) U1.AB13(VDD-DNRFB) UP8.4(DCDC3)
VDD-SYSFB: T9.1(TP) U1.P18(VDD-SYSFB) UP1.34(FB2)
VDDI-EMMC: CM3.1 CM4.1 UM1.C2(VDDI)
323-ALDO1: CP136.1 UP8.15(ALDO1)
323-DCDC1/2: CP140.1 CP141.1 CP143.1 CP144.1 LP17.2 LP18.2 RP118.1
323-DCDC3: CP147.1 CP148.1 LP19.2 RP119.1
323-DLDO1: CP137.1 UP8.12(DLDO1)
323-RTCLDO: CP138.1 UP8.7(RTCLDO)
ACIN-DET: TP31.1(TP) U1.AM6(PL3/S-UART0-RX/S-UART1-RX/S-PWM)
AECLN: CA66.2 UA3.12(MIC2N)
AECLP: CA63.2 UA3.11(MIC2P)
AECRN: CA59.2 UA3.6(MIC1N)
AECRP: CA56.2 UA3.7(MIC1P)
AFVCC-CSI: CV1.1 JV1.36(AF_VDD28) RP35.2 RP53.2
ALDO1: CV2.1 JV1.38(AVDD28) RP16.1
ALDO2: C52.1 CP28.1 CV3.1 JV1.39(DOVDD18) RP53.1 RV2.1 RV3.1 RV4.1 RV5.1 RV6.1 RV7.1 U1.L9(VCC-PE) UP1.14(ALDO2)
ALDO3: C59.1 C94.1 CP31.1 R25.2 RP5.1 RP6.1 RP56.1 RU4.1 RV13.1 U1.AE11(VCC-PL) U3.1(VDD) UP1.16(ALDO3)
ALDO4: C21.1 C22.1 C133.1 CD17.1 CD18.1 CP32.1 R5.1 R7.1 R45.1 RD6.1 RP57.1 U1.AD15(VCC-DCXO) U1.AD25(VDD18-DRAM) U1.AG15(VCC-PLL) U1.W7(VCC-ADC) UP1.17(ALDO4)
ALDO-OUT: C62.1 RP59.1 U1.AE7(ALDO-OUT)
AP-CK32K-OUT: RW2.1 RW15.1 RW30.2 U1.AL11(X32KFOUT)
AP-NMI: C23.1 RP2.2 RP130.1 U1.AM10(NMI) UP1.37(IRQ)
AP-RESET: C24.1 R19.1 RP4.2 RP128.1 U1.AJ11(RESET) UP1.1(PWROK)
AP-WAKE-BT: U1.AM3(PM3/S-TWI1-SDA/S-RJTAG-CK/S-PWM) UW1.49(BT_WAKE)
BLDO1: C54.1 CP35.1 CW17.2 CW18.1 RW3.2 RW4.2 RW5.2 RW6.2 RW7.2 RW8.2 RW9.2 RW18.2 RW19.2 RW20.2 RW21.2 RW64.2 RW65.2 U1.T9(VCC-PG) UP1.18(BLDO1) UW1.34(VDDIO)
BLDO2: C60.1 CD26.1 CD27.1 CD36.1 CP37.1 RD6.2 RW2.2 U1.AG9(VCC-PM) UD1.F1(VDD1-0) UD1.F12(VDD1-1) UD1.G4(VDD1-2) UD1.G9(VDD1-3) UD1.T4(VDD1-4) UD1.T9(VDD1-5) UD1.U1(VDD1-6) UD1.U12(VDD1-7) UD2.1(EN) UP1.19(BLDO2)
BLDO3: CP39.1 RP35.1 UP1.21(BLDO3)
BLDO4: CP41.1 CV4.1 JV1.37(DVDD) UP1.22(BLDO4)
BOOT-SEL-ADC: R5.2 R8.1 U1.W1(GPADC0)
BT-PCM-CLK: U1.U4(PG11/I2S1-BCLK/PG-EINT11) UW1.30(NC/PCM_CLK)
BT-PCM-DIN: U1.U2(PG13/I2S1-DOUT0/I2S1-DIN1/PG-EI) UW1.28(NC/PCM_IN)
BT-PCM-DOUT: U1.U1(PG14/I2S1-DIN0/I2S1-DOUT1/PG-EI) UW1.29(NC/PCM_OUT)
BT-PCM-SYNC: U1.U3(PG12/I2S1-LRCK/PG-EINT12) UW1.27(NC/PCM_SYNC)
BT-RESETN: RW65.1 U1.AM4(PM2/S-TWI1-SCK/S-RJTAG-MS/S-PWM) UW1.38(BT_DIS_ON/BT_REG_ON)
BT-UART-CTS: RW21.1 RW25.2 U1.R4(PG8/UART1-RTS/PG-EINT8) UW1.43(UART_CTS_N)
BT-UART-RTS: RW20.1 RW24.2 U1.U6(PG9/UART1-CTS/PG-EINT9) UW1.42(UART_RTS_N)
BT-UART-RX: RW18.1 U1.R6(PG6/UART1-TX/PG-EINT6) UW1.41(UART_RXD)
BT-UART-TX: RW19.1 U1.R5(PG7/UART1-RX/PG-EINT7) UW1.40(UART_TXD)
BT-WAKE-AP: RW64.1 U1.AN4(PM4/S-PWM-8/S-RJTAG-DO/S-TWI2-S) UW1.50(UART_WAKE/BT_HOST_WAKE)
CC1: DU5.2(CATHODE) JU3.A5(CC1) RU20.1
CC1-AXP717C: RU20.2 UP1.4(CC1)
CC2: DU6.2(CATHODE) JU3.B5(CC2) RU21.1
CC2-AXP717C: RU21.2 UP1.5(CC2)
CHGLED-: DP5.2 UP1.38(CHGLED)
CLDO1: C19.1 C51.1 C57.1 C58.1 C69.1 C78.1 C79.1 C80.1 C81.1 C107.1 C112.1 C113.1 C114.1 C115.1 CP36.1 RA30.1 RL13.1 RL14.1 RP46.1 U1.AJ5(CPVIN) U1.J15(VCC18-PCIE) U1.K13(VCC-MCSI) U1.L22(VCC18-EDP) U1.M10(VCC-PK) U1.M21(VCC18-HDMI) U1.N9(VCC-LVDS1) U1.N24(VCC-LVDS0) U1.R26(VCC-EFUSE) UP1.23(CLDO1)